# KiCad board panel-74pad-70pin-mezzanine.kicad_pcb (continued)
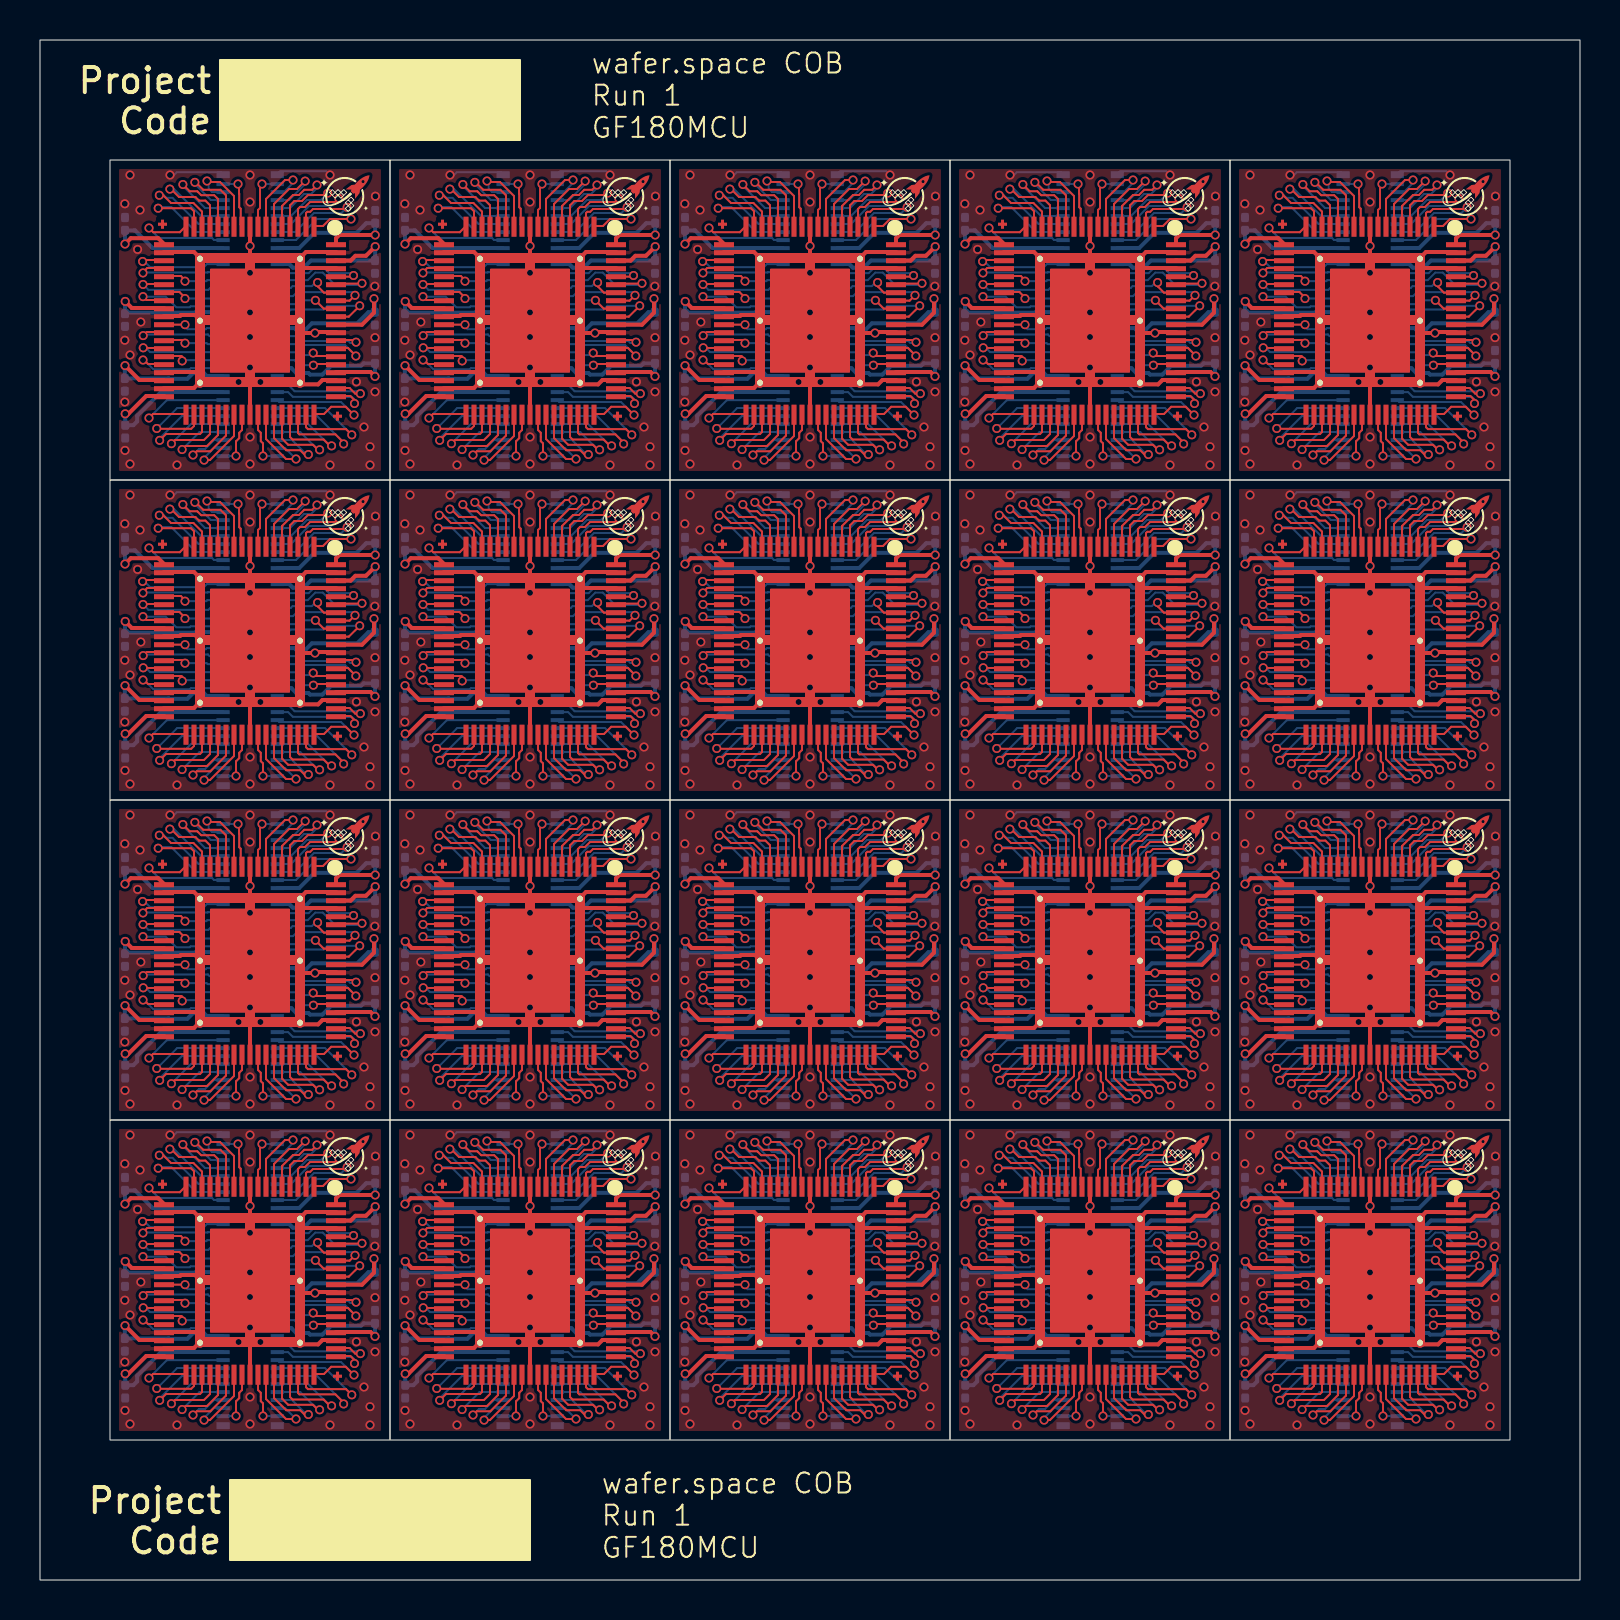
[diagram p0: board, top side]
## Nets (continued)
/pad_60: U101.21 U102.61 U103.21 U104.61 U105.21 U106.61 U107.21 U108.61 U109.21 U110.61 U111.21 U112.61 U113.21 U114.61 U115.21 U116.61 U117.21 U118.61 U119.21 U120.61 U121.21 U122.61 U123.21 U124.61 U125.21 U126.61 U127.21 U128.61 U129.21 U130.61 U131.21 U132.61 U133.21 U134.61 U135.21 U136.61 U137.21 U138.61 U139.21 U140.61
/pad_61: U101.20 U102.62 U103.20 U104.62 U105.20 U106.62 U107.20 U108.62 U109.20 U110.62 U111.20 U112.62 U113.20 U114.62 U115.20 U116.62 U117.20 U118.62 U119.20 U120.62 U121.20 U122.62 U123.20 U124.62 U125.20 U126.62 U127.20 U128.62 U129.20 U130.62 U131.20 U132.62 U133.20 U134.62 U135.20 U136.62 U137.20 U138.62 U139.20 U140.62
/pad_64: U101.17 U102.65 U103.17 U104.65 U105.17 U106.65 U107.17 U108.65 U109.17 U110.65 U111.17 U112.65 U113.17 U114.65 U115.17 U116.65 U117.17 U118.65 U119.17 U120.65 U121.17 U122.65 U123.17 U124.65 U125.17 U126.65 U127.17 U128.65 U129.17 U130.65 U131.17 U132.65 U133.17 U134.65 U135.17 U136.65 U137.17 U138.65 U139.17 U140.65
/pad_65: U101.16 U102.66 U103.16 U104.66 U105.16 U106.66 U107.16 U108.66 U109.16 U110.66 U111.16 U112.66 U113.16 U114.66 U115.16 U116.66 U117.16 U118.66 U119.16 U120.66 U121.16 U122.66 U123.16 U124.66 U125.16 U126.66 U127.16 U128.66 U129.16 U130.66 U131.16 U132.66 U133.16 U134.66 U135.16 U136.66 U137.16 U138.66 U139.16 U140.66
/pad_66: U101.15 U102.67 U103.15 U104.67 U105.15 U106.67 U107.15 U108.67 U109.15 U110.67 U111.15 U112.67 U113.15 U114.67 U115.15 U116.67 U117.15 U118.67 U119.15 U120.67 U121.15 U122.67 U123.15 U124.67 U125.15 U126.67 U127.15 U128.67 U129.15 U130.67 U131.15 U132.67 U133.15 U134.67 U135.15 U136.67 U137.15 U138.67 U139.15 U140.67
/pad_67: U101.14 U102.68 U103.14 U104.68 U105.14 U106.68 U107.14 U108.68 U109.14 U110.68 U111.14 U112.68 U113.14 U114.68 U115.14 U116.68 U117.14 U118.68 U119.14 U120.68 U121.14 U122.68 U123.14 U124.68 U125.14 U126.68 U127.14 U128.68 U129.14 U130.68 U131.14 U132.68 U133.14 U134.68 U135.14 U136.68 U137.14 U138.68 U139.14 U140.68
/pad_68: U101.13 U102.69 U103.13 U104.69 U105.13 U106.69 U107.13 U108.69 U109.13 U110.69 U111.13 U112.69 U113.13 U114.69 U115.13 U116.69 U117.13 U118.69 U119.13 U120.69 U121.13 U122.69 U123.13 U124.69 U125.13 U126.69 U127.13 U128.69 U129.13 U130.69 U131.13 U132.69 U133.13 U134.69 U135.13 U136.69 U137.13 U138.69 U139.13 U140.69
/pad_69: U101.12 U102.70 U103.12 U104.70 U105.12 U106.70 U107.12 U108.70 U109.12 U110.70 U111.12 U112.70 U113.12 U114.70 U115.12 U116.70 U117.12 U118.70 U119.12 U120.70 U121.12 U122.70 U123.12 U124.70 U125.12 U126.70 U127.12 U128.70 U129.12 U130.70 U131.12 U132.70 U133.12 U134.70 U135.12 U136.70 U137.12 U138.70 U139.12 U140.70
PWR_AUX_0: C105.1 C113.1 C121.1 C129.1 C137.1 C145.1 C153.1 C161.1 C169.1 C177.1 C185.1 C193.1 C201.1 C209.1 C217.1 C225.1 C233.1 C241.1 C249.1 C257.1 U101.54 U102.26 U103.54 U104.26 U105.54 U106.26 U107.54 U108.26 U109.54 U110.26 U111.54 U112.26 U113.54 U114.26 U115.54 U116.26 U117.54 U118.26 U119.54 U120.26 U121.54 U122.26 U123.54 U124.26 U125.54 U126.26 U127.54 U128.26 U129.54 U130.26 U131.54 U132.26 U133.54 U134.26 U135.54 U136.26 U137.54 U138.26 U139.54 U140.26
PWR_AUX_1: C106.1 C114.1 C122.1 C130.1 C138.1 C146.1 C154.1 C162.1 C170.1 C178.1 C186.1 C194.1 C202.1 C210.1 C218.1 C226.1 C234.1 C242.1 C250.1 C258.1 U101.19 U102.64 U103.19 U104.64 U105.19 U106.64 U107.19 U108.64 U109.19 U110.64 U111.19 U112.64 U113.19 U114.64 U115.19 U116.64 U117.19 U118.64 U119.19 U120.64 U121.19 U122.64 U123.19 U124.64 U125.19 U126.64 U127.19 U128.64 U129.19 U130.64 U131.19 U132.64 U133.19 U134.64 U135.19 U136.64 U137.19 U138.64 U139.19 U140.64

## Via types
v1: diameter 0.45, hole 0.3, Top to Bottom, 1960 vias

## Routing (per net, layer and track width the routed paths; a pad name or vN(x,y) marks a point on that pad's centre or on a via; arc(x,y) is an arc through that point)
GND: length 1147
  Top w0.2: 8,59.9 7.7,59.6 6.2,59.6 ; 56.8,12 56.12,12 55.9,11.78 55.12,11.78 55,11.9 ; 55,66.1 55.3,66.4 56.8,66.4 ; 27,59.9 27.12,59.78 27.9,59.78 28.12,60 28.8,60 ; 42.8,50.4 41.3,50.4 41,50.1 ; 10.45,34.1 10.5,34.15 v1(10.5,34.7) 10.5,35.7 ; 42.8,12 42.12,12 41.9,11.78 41.12,11.78 41,11.9 ; 6.2,34.4 7.7,34.4 8,34.1 ; 22,15 21.75,15.25 21.05,15.25 21,15.2 20.2,15.2 ; 34.2,43.6 35.7,43.6 36,43.9 ; 28.8,18.4 27.3,18.4 27,18.1 ; 62.2,12.4 64,12.4 ; 55,43.9 55.12,43.78 55.9,43.78 56.12,44 56.8,44 ; 70.8,60 70.12,60 69.9,59.78 69.12,59.78 69,59.9 ; 22,27.9 21.7,27.6 20.2,27.6 ; 6.2,44.4 8,44.4 ; 50,34.1 49.7,34.4 48.2,34.4 ; 38.5,26.3 38.5,27.9 ; 34.2,11.6 35.7,11.6 36,11.9 ; 41,66.1 41.3,66.4 42.8,66.4 ; 27,27.9 27.12,27.78 27.9,27.78 28.12,28 28.8,28 ; 14.8,34.4 13.3,34.4 13,34.1 ; 10.5,58.3 10.5,59.9 ; 48.2,18.4 49.7,18.4 50,18.1 ; 6.2,28.4 8,28.4 ; 10.5,51.7 v1(10.5,50.7) 10.5,50.15 10.45,50.1 ; 8,27.9 7.7,27.6 6.2,27.6 ; 70.8,30.4 69.9,30.4 69.85,30.35 v1(69.75,30.35) 69.1,30.35 69,30.45 ; 42.8,44 42.12,44 41.9,43.78 41.12,43.78 41,43.9 ; 48.2,59.6 49.7,59.6 50,59.9 ; 48.2,11.6 49.7,11.6 50,11.9 ; 41,27.9 41.12,27.78 41.9,27.78 42.12,28 42.8,28 ; 50,63 49.75,63.25 49.05,63.25 49,63.2 48.2,63.2 ; 36,34.1 35.7,34.4 34.2,34.4 ; 38.45,34.1 38.5,34.15 v1(38.5,34.7) 38.5,35.7 ; 20.2,60.4 22,60.4 ; 6.2,47.2 7,47.2 7.05,47.25 7.75,47.25 8,47 ; 42.8,62.4 41.9,62.4 41.85,62.35 v1(41.75,62.35) 41.1,62.35 41,62.45 ; 20.2,43.6 21.7,43.6 22,43.9 ; 14.8,18.4 13.3,18.4 13,18.1 ; 13,46.45 13.1,46.35 v1(13.75,46.35) 13.85,46.35 13.9,46.4 14.8,46.4 ; 38.5,51.7 v1(38.5,50.7) 38.5,50.15 38.45,50.1 ; 55,62.45 55.1,62.35 v1(55.75,62.35) 55.85,62.35 55.9,62.4 56.8,62.4 ; 52.5,26.3 52.5,27.9 ; 52.5,58.3 52.5,59.9 ; 62.2,63.2 63,63.2 63.05,63.25 63.75,63.25 64,63 ; 48.2,12.4 50,12.4 ; 66.5,26.3 66.5,27.9 ; 36,15 35.75,15.25 35.05,15.25 35,15.2 34.2,15.2 ; 20.2,11.6 21.7,11.6 22,11.9 ; 13,11.9 13.12,11.78 13.9,11.78 14.12,12 14.8,12 ; 64,11.9 63.7,11.6 62.2,11.6 ; 70.8,62.4 69.9,62.4 69.85,62.35 v1(69.75,62.35) 69.1,62.35 69,62.45 ; 38.45,66.1 38.5,66.15 v1(38.5,66.7) 38.5,67.7 ; 55,50.1 55.3,50.4 56.8,50.4 ; 66.5,35.7 v1(66.5,34.7) 66.5,34.15 66.45,34.1 ; 52.5,51.7 v1(52.5,50.7) 52.5,50.15 52.45,50.1 ; 10.45,66.1 10.5,66.15 v1(10.5,66.7) 10.5,67.7 ; 62.2,44.4 64,44.4 ; 22,66.1 21.7,66.4 20.2,66.4 ; 41,46.45 41.1,46.35 v1(41.75,46.35) 41.85,46.35 41.9,46.4 42.8,46.4 ; 50,43.9 49.7,43.6 48.2,43.6 ; 52.5,67.7 v1(52.5,66.7) 52.5,66.15 52.45,66.1 ; 27,66.1 27.3,66.4 28.8,66.4 ; 6.2,18.4 7.7,18.4 8,18.1 ; 66.5,58.3 66.5,59.9 ; 50,31 49.75,31.25 49.05,31.25 49,31.2 48.2,31.2 ; 70.8,18.4 69.3,18.4 69,18.1 ; 28.8,33.6 27,33.6 ; 20.2,50.4 21.7,50.4 22,50.1 ; 42.8,60 42.12,60 41.9,59.78 41.12,59.78 41,59.9 ; 48.2,15.2 49,15.2 49.05,15.25 49.75,15.25 50,15 ; 55,18.1 55.3,18.4 56.8,18.4 ; 48.2,66.4 49.7,66.4 50,66.1 ; 70.8,14.4 69.9,14.4 69.85,14.35 v1(69.75,14.35) 69.1,14.35 69,14.45 ; 36,31 35.75,31.25 35.05,31.25 35,31.2 34.2,31.2 ; 10.5,42.3 10.5,43.9 ; 10.5,10.3 10.5,11.9 ; 27,11.9 27.12,11.78 27.9,11.78 28.12,12 28.8,12 ; 55,46.45 55.1,46.35 v1(55.75,46.35) 55.85,46.35 55.9,46.4 56.8,46.4 ; 66.5,67.7 v1(66.5,66.7) 66.5,66.15 66.45,66.1 ; 36,63 35.75,63.25 35.05,63.25 35,63.2 34.2,63.2 ; 64,43.9 63.7,43.6 62.2,43.6 ; 56.8,49.6 55,49.6 ; 50,47 49.75,47.25 49.05,47.25 49,47.2 48.2,47.2 ; 70.8,65.6 69,65.6 ; 42.8,14.4 41.9,14.4 41.85,14.35 v1(41.75,14.35) 41.1,14.35 41,14.45 ; 64,47 63.75,47.25 63.05,47.25 63,47.2 62.2,47.2 ; 56.8,65.6 55,65.6 ; 34.2,59.6 35.7,59.6 36,59.9 ; 27,46.45 27.1,46.35 v1(27.75,46.35) 27.85,46.35 27.9,46.4 28.8,46.4 ; 62.2,18.4 63.7,18.4 64,18.1 ; 62.2,60.4 64,60.4 ; 24.5,19.7 v1(24.5,18.7) 24.5,18.15 24.45,18.1 ; 70.8,44 70.12,44 69.9,43.78 69.12,43.78 69,43.9 ; 14.8,50.4 13.3,50.4 13,50.1 ; 6.2,31.2 7,31.2 7.05,31.25 7.75,31.25 8,31 ; 69,46.45 69.1,46.35 v1(69.75,46.35) 69.85,46.35 69.9,46.4 70.8,46.4 ; 42.8,30.4 41.9,30.4 41.85,30.35 v1(41.75,30.35) 41.1,30.35 41,30.45 ; 70.8,50.4 69.3,50.4 69,50.1 ; 42.8,49.6 41,49.6 ; 20.2,28.4 22,28.4 ; 62.2,31.2 63,31.2 63.05,31.25 63.75,31.25 64,31 ; 13,43.9 13.12,43.78 13.9,43.78 14.12,44 14.8,44 ; 20.2,34.4 21.7,34.4 22,34.1 ; 56.8,28 56.12,28 55.9,27.78 55.12,27.78 55,27.9 ; 28.8,30.4 27.9,30.4 27.85,30.35 v1(27.75,30.35) 27.1,30.35 27,30.45 ; 6.2,50.4 7.7,50.4 8,50.1 ; 20.2,18.4 21.7,18.4 22,18.1 ; 27,34.1 27.3,34.4 28.8,34.4 ; 62.2,59.6 63.7,59.6 64,59.9 ; 14.8,30.4 13.9,30.4 13.85,30.35 v1(13.75,30.35) 13.1,30.35 13,30.45 ; 20.2,47.2 21,47.2 21.05,47.25 21.75,47.25 22,47 ; 6.2,66.4 7.7,66.4 8,66.1 ; 13,14.45 13.1,14.35 v1(13.75,14.35) 13.85,14.35 13.9,14.4 14.8,14.4 ; 24.5,35.7 v1(24.5,34.7) 24.5,34.15 24.45,34.1 ; 14.8,62.4 13.9,62.4 13.85,62.35 v1(13.75,62.35) 13.1,62.35 13,62.45 ; 64,15 63.75,15.25 63.05,15.25 63,15.2 62.2,15.2 ; 52.5,19.7 v1(52.5,18.7) 52.5,18.15 52.45,18.1 ; 66.45,50.1 66.5,50.15 v1(66.5,50.7) 66.5,51.7 ; 70.8,33.6 69,33.6 ; 28.8,17.6 27,17.6 ; 28.8,14.4 27.9,14.4 27.85,14.35 v1(27.75,14.35) 27.1,14.35 27,14.45 ; 34.2,27.6 35.7,27.6 36,27.9 ; 8,43.9 7.7,43.6 6.2,43.6 ; 42.8,17.6 41,17.6 ; 27,62.45 27.1,62.35 v1(27.75,62.35) 27.85,62.35 27.9,62.4 28.8,62.4 ; 69,34.1 69.3,34.4 70.8,34.4 ; 14.8,66.4 13.3,66.4 13,66.1 ; 38.5,42.3 38.5,43.9 ; 70.8,66.4 69.3,66.4 69,66.1 ; 27,50.1 27.3,50.4 28.8,50.4 ; 20.2,59.6 21.7,59.6 22,59.9 ; 69,11.9 69.12,11.78 69.9,11.78 70.12,12 70.8,12 ; 28.8,65.6 27,65.6 ; 66.5,10.3 66.5,11.9 ; 8,63 7.75,63.25 7.05,63.25 7,63.2 6.2,63.2 ; 34.2,50.4 35.7,50.4 36,50.1 ; 50,50.1 49.7,50.4 48.2,50.4 ; 38.45,18.1 38.5,18.15 v1(38.5,18.7) 38.5,19.7 ; 56.8,30.4 55.9,30.4 55.85,30.35 v1(55.75,30.35) 55.1,30.35 55,30.45 ; 22,63 21.75,63.25 21.05,63.25 21,63.2 20.2,63.2 ; 8,15 7.75,15.25 7.05,15.25 7,15.2 6.2,15.2 ; 36,66.1 35.7,66.4 34.2,66.4 ; 41,18.1 41.3,18.4 42.8,18.4 ; 20.2,44.4 22,44.4 ; 70.8,28 70.12,28 69.9,27.78 69.12,27.78 69,27.9 ; 56.8,34.4 55.3,34.4 55,34.1 ; 24.5,67.7 v1(24.5,66.7) 24.5,66.15 24.45,66.1 ; 34.2,47.2 35,47.2 35.05,47.25 35.75,47.25 36,47 ; 56.8,60 56.12,60 55.9,59.78 55.12,59.78 55,59.9 ; 24.45,50.1 24.5,50.15 v1(24.5,50.7) 24.5,51.7 ; 20.2,31.2 21,31.2 21.05,31.25 21.75,31.25 22,31 ; 34.2,12.4 36,12.4 ; 6.2,11.6 7.7,11.6 8,11.9 ; 62.2,28.4 64,28.4 ; 34.2,44.4 36,44.4 ; 64,34.1 63.7,34.4 62.2,34.4 ; 27,43.9 27.12,43.78 27.9,43.78 28.12,44 28.8,44 ; 42.8,34.4 41.3,34.4 41,34.1 ; 64,50.1 63.7,50.4 62.2,50.4 ; 34.2,18.4 35.7,18.4 36,18.1 ; 6.2,12.4 8,12.4 ; 52.5,10.3 52.5,11.9 ; 13,27.9 13.12,27.78 13.9,27.78 14.12,28 14.8,28 ; 56.8,33.6 55,33.6 ; 48.2,27.6 49.7,27.6 50,27.9 ; 10.5,26.3 10.5,27.9 ; 66.45,18.1 66.5,18.15 v1(66.5,18.7) 66.5,19.7 ; 24.5,58.3 24.5,59.9 ; 62.2,27.6 63.7,27.6 64,27.9 ; 70.8,49.6 69,49.6 ; 52.5,35.7 v1(52.5,34.7) 52.5,34.15 52.45,34.1 ; 10.45,18.1 10.5,18.15 v1(10.5,18.7) 10.5,19.7 ; 34.2,60.4 36,60.4 ; 24.5,10.3 24.5,11.9 ; 48.2,60.4 50,60.4 ; 48.2,44.4 50,44.4 ; 13,59.9 13.12,59.78 13.9,59.78 14.12,60 14.8,60 ; 55,14.45 55.1,14.35 v1(55.75,14.35) 55.85,14.35 55.9,14.4 56.8,14.4 ; 48.2,28.4 50,28.4 ; 52.5,42.3 52.5,43.9 ; 42.8,33.6 41,33.6 ; 56.8,17.6 55,17.6 ; 14.8,49.6 13,49.6 ; 14.8,33.6 13,33.6 ; 64,66.1 63.7,66.4 62.2,66.4 ; 6.2,60.4 8,60.4 ; 24.5,42.3 24.5,43.9 ; 14.8,17.6 13,17.6 ; 38.5,10.3 38.5,11.9 ; 34.2,28.4 36,28.4 ; 42.8,65.6 41,65.6 ; 70.8,17.6 69,17.6 ; 14.8,65.6 13,65.6 ; 38.5,58.3 38.5,59.9 ; 28.8,49.6 27,49.6 ; 66.5,42.3 66.5,43.9 ; 24.5,26.3 24.5,27.9 ; 20.2,12.4 22,12.4
  Top w0.5: 52.5,59.9 v1(53.02,59.9) 55,59.9 55,63 ; 52.5,59.9 v1(51.93,59.9) 50,59.9 50,63 ; 52.5,59.9 v1(52.5,60.63) v1(52.5,62.15) v1(52.5,63.38) v1(52.5,65.36) 52.5,66.05 52.45,66.1 ; 24.45,66.1 27,66.1 27,63 ; 24.45,66.1 24.5,66.05 v1(24.5,65.36) v1(24.5,63.38) v1(24.5,62.15) v1(24.5,60.63) 24.5,59.9 ; 24.45,66.1 22,66.1 22,63 ; 50,31 50,34.1 52.45,34.1 ; 50,31 50,27.9 v1(51.93,27.9) 52.5,27.9 ; 50,31 55,31 ; 10.45,66.1 13,66.1 13,63 ; 10.45,66.1 10.5,66.05 v1(10.5,65.36) v1(10.5,63.38) v1(10.5,62.15) v1(10.5,60.63) 10.5,59.9 ; 10.45,66.1 8,66.1 8,63 ; 22,63 22,59.9 v1(23.93,59.9) 24.5,59.9 ; 22,63 27,63 ; 10.45,18.1 10.5,18.05 v1(10.5,17.36) v1(10.5,15.38) v1(10.5,14.15) v1(10.5,12.63) 10.5,11.9 ; 10.45,18.1 13,18.1 13,15 ; 10.45,18.1 8,18.1 8,15 ; 8,31 13,31 ; 8,31 8,34.1 10.45,34.1 ; 8,31 8,27.9 v1(9.93,27.9) 10.5,27.9 ; 13,31 13,27.9 v1(11.02,27.9) 10.5,27.9 ; 13,31 13,34.1 10.45,34.1 ; 22,31 22,27.9 v1(23.93,27.9) 24.5,27.9 ; 22,31 27,31 ; 22,31 22,34.1 24.45,34.1 ; 10.5,27.9 v1(10.5,28.63) v1(10.5,30.15) v1(10.5,31.38) v1(10.5,33.36) 10.5,34.05 10.45,34.1 ; 66.5,27.9 v1(66.5,28.63) v1(66.5,30.15) v1(66.5,31.38) v1(66.5,33.36) 66.5,34.05 66.45,34.1 ; 66.5,27.9 v1(67.02,27.9) 69,27.9 69,31 ; 66.5,27.9 v1(65.93,27.9) 64,27.9 64,31 ; 66.45,50.1 66.5,50.05 v1(66.5,49.36) v1(66.5,47.38) v1(66.5,46.15) v1(66.5,44.63) 66.5,43.9 ; 66.45,50.1 69,50.1 69,47 ; 66.45,50.1 64,50.1 64,47 ; 69,47 69,43.9 v1(67.02,43.9) 66.5,43.9 ; 69,47 64,47 ; 10.45,50.1 8,50.1 8,47 ; 10.45,50.1 10.5,50.05 v1(10.5,49.36) v1(10.5,47.38) v1(10.5,46.15) v1(10.5,44.63) 10.5,43.9 ; 10.45,50.1 13,50.1 13,47 ; 38.45,34.1 36,34.1 36,31 ; 38.45,34.1 38.5,34.05 v1(38.5,33.36) v1(38.5,31.38) v1(38.5,30.15) v1(38.5,28.63) 38.5,27.9 ; 38.45,34.1 41,34.1 41,31 ; 50,15 50,11.9 v1(51.93,11.9) 52.5,11.9 ; 50,15 55,15 ; 50,15 50,18.1 52.45,18.1 ; 10.5,11.9 v1(11.02,11.9) 13,11.9 13,15 ; 10.5,11.9 v1(9.93,11.9) 8,11.9 8,15 ; 36,31 36,27.9 v1(37.93,27.9) 38.5,27.9 ; 36,31 41,31 ; 38.5,43.9 v1(38.5,44.63) v1(38.5,46.15) v1(38.5,47.38) v1(38.5,49.36) 38.5,50.05 38.45,50.1 ; 38.5,43.9 v1(37.93,43.9) 36,43.9 36,47 ; 38.5,43.9 v1(39.02,43.9) 41,43.9 41,47 ; 52.5,43.9 v1(52.5,44.63) v1(52.5,46.15) v1(52.5,47.38) v1(52.5,49.36) 52.5,50.05 52.45,50.1 ; 52.5,43.9 v1(53.02,43.9) 55,43.9 55,47 ; 52.5,43.9 v1(51.93,43.9) 50,43.9 50,47 ; 52.5,27.9 v1(52.5,28.63) v1(52.5,30.15) v1(52.5,31.38) v1(52.5,33.36) 52.5,34.05 52.45,34.1 ; 52.5,27.9 v1(53.02,27.9) 55,27.9 55,31 ; 55,31 55,34.1 52.45,34.1 ; 52.45,66.1 50,66.1 50,63 ; 52.45,66.1 55,66.1 55,63 ; 8,47 13,47 ; 8,47 8,43.9 v1(9.93,43.9) 10.5,43.9 ; 64,15 64,18.1 66.45,18.1 ; 64,15 69,15 ; 64,15 64,11.9 v1(65.93,11.9) 66.5,11.9 ; 22,15 22,18.1 24.45,18.1 ; 22,15 27,15 ; 22,15 22,11.9 v1(23.93,11.9) 24.5,11.9 ; 66.5,11.9 v1(67.02,11.9) 69,11.9 69,15 ; 66.5,11.9 v1(66.5,12.63) v1(66.5,14.15) v1(66.5,15.38) v1(66.5,17.36) 66.5,18.05 66.45,18.1 ; 64,31 64,34.1 66.45,34.1 ; 64,31 69,31 ; 22,47 22,50.1 24.45,50.1 ; 22,47 27,47 ; 22,47 22,43.9 v1(23.93,43.9) 24.5,43.9 ; 52.45,50.1 55,50.1 55,47 ; 52.45,50.1 50,50.1 50,47 ; 69,15 69,18.1 66.45,18.1 ; 64,47 64,43.9 v1(65.93,43.9) 66.5,43.9 ; 38.45,18.1 41,18.1 41,15 ; 38.45,18.1 38.5,18.05 v1(38.5,17.36) v1(38.5,15.38) v1(38.5,14.15) v1(38.5,12.63) 38.5,11.9 ; 38.45,18.1 36,18.1 36,15 ; 66.45,34.1 69,34.1 69,31 ; 13,47 13,43.9 v1(11.02,43.9) 10.5,43.9 ; 24.45,18.1 24.5,18.05 v1(24.5,17.36) v1(24.5,15.38) v1(24.5,14.15) v1(24.5,12.63) 24.5,11.9 ; 24.45,18.1 27,18.1 27,15 ; 27,15 27,11.9 v1(25.02,11.9) 24.5,11.9 ; 50,63 55,63 ; 24.45,50.1 27,50.1 27,47 ; 24.45,50.1 24.5,50.05 v1(24.5,49.36) v1(24.5,47.38) v1(24.5,46.15) v1(24.5,44.63) 24.5,43.9 ; 66.5,59.9 v1(67.02,59.9) 69,59.9 69,63 ; 66.5,59.9 v1(65.93,59.9) 64,59.9 64,63 ; 66.5,59.9 v1(66.5,60.63) v1(66.5,62.15) v1(66.5,63.38) v1(66.5,65.36) 66.5,66.05 66.45,66.1 ; 52.45,18.1 52.5,18.05 v1(52.5,17.36) v1(52.5,15.38) v1(52.5,14.15) v1(52.5,12.63) 52.5,11.9 ; 52.45,18.1 55,18.1 55,15 ; 38.5,59.9 v1(37.93,59.9) 36,59.9 36,63 ; 38.5,59.9 v1(39.02,59.9) 41,59.9 41,63 ; 38.5,59.9 v1(38.5,60.63) v1(38.5,62.15) v1(38.5,63.38) v1(38.5,65.36) 38.5,66.05 38.45,66.1 ; 55,15 55,11.9 v1(53.02,11.9) 52.5,11.9 ; 36,47 36,50.1 38.45,50.1 ; 36,47 41,47 ; 66.45,66.1 69,66.1 69,63 ; 66.45,66.1 64,66.1 64,63 ; 55,47 50,47 ; 36,63 36,66.1 38.45,66.1 ; 36,63 41,63 ; 8,15 13,15 ; 27,31 27,27.9 v1(25.02,27.9) 24.5,27.9 ; 27,31 27,34.1 24.45,34.1 ; 36,15 36,11.9 v1(37.93,11.9) 38.5,11.9 ; 36,15 41,15 ; 8,63 13,63 ; 8,63 8,59.9 v1(9.93,59.9) 10.5,59.9 ; 13,63 13,59.9 v1(11.02,59.9) 10.5,59.9 ; 64,63 69,63 ; 24.5,43.9 v1(25.02,43.9) 27,43.9 27,47 ; 38.45,50.1 41,50.1 41,47 ; 41,15 41,11.9 v1(39.02,11.9) 38.5,11.9 ; 24.5,59.9 v1(25.02,59.9) 27,59.9 27,63 ; 38.5,27.9 v1(39.02,27.9) 41,27.9 41,31 ; 41,63 41,66.1 38.45,66.1 ; 24.45,34.1 24.5,34.05 v1(24.5,33.36) v1(24.5,31.38) v1(24.5,30.15) v1(24.5,28.63) 24.5,27.9
  Bottom w0.1: 67.86,22.28 68.02,22.44 70.31,22.44 v1(70.5,22.25) ; 37.15,22.28 37.03,22.39 34.84,22.39 34.65,22.2 ; 65.15,54.28 65.03,54.39 62.84,54.39 62.65,54.2 ; 11.85,22.28 12.02,22.44 14.31,22.44 v1(14.5,22.25) ; 67.86,54.28 68.02,54.44 70.31,54.44 v1(70.5,54.25) ; v1(42.5,54.25) 42.31,54.44 40.02,54.44 39.85,54.28 ; v1(56.5,70.25) 56.31,70.44 54.02,70.44 53.85,70.28 ; v1(14.5,70.25) 14.31,70.44 12.02,70.44 11.85,70.28 ; 9.15,70.28 9.03,70.39 6.84,70.39 6.65,70.2 ; 23.15,54.28 23.03,54.39 20.84,54.39 20.65,54.2 ; 20.65,22.2 20.84,22.39 23.03,22.39 23.15,22.28 ; 20.65,70.2 20.84,70.39 23.03,70.39 23.15,70.28 ; 51.15,54.28 51.03,54.39 48.84,54.39 48.65,54.2 ; 48.65,22.2 48.84,22.39 51.03,22.39 51.15,22.28 ; 48.65,70.2 48.84,70.39 51.03,70.39 51.15,70.28 ; v1(14.5,54.25) 14.31,54.44 12.02,54.44 11.85,54.28 ; 65.15,22.28 65.03,22.39 62.84,22.39 62.65,22.2 ; 65.15,70.28 65.03,70.39 62.84,70.39 62.65,70.2 ; 37.15,54.28 37.03,54.39 34.84,54.39 34.65,54.2 ; v1(42.5,38.25) 42.31,38.44 40.02,38.44 39.85,38.28 ; 25.85,70.28 26.02,70.44 28.31,70.44 v1(28.5,70.25) ; 9.15,22.28 9.03,22.39 6.84,22.39 6.65,22.2 ; 67.86,70.28 68.02,70.44 70.31,70.44 v1(70.5,70.25) ; 39.85,22.28 40.02,22.44 42.31,22.44 v1(42.5,22.25) ; 6.65,38.2 6.84,38.39 9.03,38.39 9.15,38.28 ; v1(14.5,38.25) 14.31,38.44 12.02,38.44 11.85,38.28 ; 65.15,38.28 65.03,38.39 62.84,38.39 62.65,38.2 ; 37.15,70.28 37.03,70.39 34.84,70.39 34.65,70.2 ; 67.86,38.28 68.02,38.44 70.31,38.44 v1(70.5,38.25) ; v1(42.5,70.25) 42.31,70.44 40.02,70.44 39.85,70.28 ; 51.15,38.28 51.03,38.39 48.84,38.39 48.65,38.2 ; 23.15,38.28 23.03,38.39 20.84,38.39 20.65,38.2 ; 53.85,22.28 54.02,22.44 56.31,22.44 v1(56.5,22.25) ; 37.15,38.28 37.03,38.39 34.84,38.39 34.65,38.2 ; v1(28.5,22.25) 28.31,22.44 26.02,22.44 25.85,22.28 ; v1(28.5,38.25) 28.31,38.44 26.02,38.44 25.85,38.28 ; 53.85,54.28 54.02,54.44 56.31,54.44 v1(56.5,54.25) ; 9.15,54.28 9.03,54.39 6.84,54.39 6.65,54.2 ; v1(56.5,38.25) 56.31,38.44 54.02,38.44 53.85,38.28 ; 25.85,54.28 26.02,54.44 28.31,54.44 v1(28.5,54.25)
  vias: v1(4.24,68.81) v1(4.24,61.99) v1(4.24,58.9) v1(4.25,56.48) v1(4.24,52.81) v1(4.24,45.99) v1(4.24,42.9) v1(4.25,40.48) v1(4.24,36.81) v1(4.24,29.99) v1(4.24,26.9) v1(4.25,24.48) v1(4.24,20.81) v1(4.24,13.99) v1(4.24,10.9) v1(4.25,8.48) v1(4.5,70.25) v1(4.5,61.25) v1(4.5,55.8) v1(4.5,54.25) v1(4.5,45.25) v1(4.5,39.8) v1(4.5,38.25) v1(4.5,29.25) v1(4.5,23.8) v1(4.5,22.25) v1(4.5,13.25) v1(4.5,7.8) v1(4.88,66.53) v1(4.88,50.53) v1(4.88,34.53) v1(4.88,18.53) v1(5,68.5) v1(5,52.5) v1(5,36.5) v1(5,20.5) v1(5.04,62.9) v1(5.04,46.9) v1(5.04,30.9) v1(5.04,14.9) v1(6.5,70.25) v1(6.5,54.25) v1(6.5,38.25) v1(6.5,22.25) v1(6.85,55.75) v1(6.85,39.75) v1(6.85,23.75) v1(6.85,7.75) v1(10.5,70.25) v1(10.5,68.9) v1(10.5,57.15) v1(10.5,55.8) v1(10.5,54.25) v1(10.5,52.9) v1(10.5,41.15) v1(10.5,39.8) v1(10.5,38.25) v1(10.5,36.9) v1(10.5,25.15) v1(10.5,23.8) v1(10.5,22.25) v1(10.5,20.9) v1(10.5,9.15) v1(10.5,7.8) v1(14.5,55.75) v1(14.5,39.75) v1(14.5,23.75) v1(14.5,7.75) v1(15.82,59.91) v1(15.82,43.91) v1(15.82,27.91) v1(15.82,11.91) v1(16.2,57.65) v1(16.2,41.65) v1(16.2,25.65) v1(16.2,9.65) v1(16.5,56.67) v1(16.5,55.75) v1(16.5,40.67) v1(16.5,39.75) v1(16.5,24.67) v1(16.5,23.75) v1(16.5,8.67) v1(16.5,7.75) v1(16.77,69.19) v1(16.74,64.69) v1(16.75,62.12) v1(16.75,59.41) v1(16.77,53.19) v1(16.74,48.69) v1(16.75,46.12) v1(16.75,43.41) v1(16.77,37.19) v1(16.74,32.69) v1(16.75,30.12) v1(16.75,27.41) v1(16.77,21.19) v1(16.74,16.69) v1(16.75,14.12) v1(16.75,11.41) v1(18.24,68.81) v1(18.24,61.99) v1(18.24,58.9) v1(18.25,56.48) v1(18.24,52.81) v1(18.24,45.99) v1(18.24,42.9) v1(18.25,40.48) v1(18.24,36.81) v1(18.24,29.99) v1(18.24,26.9) v1(18.25,24.48) v1(18.24,20.81) v1(18.24,13.99) v1(18.24,10.9) v1(18.25,8.48) v1(18.5,70.25) v1(18.5,61.25) v1(18.5,55.8) v1(18.5,54.25) v1(18.5,45.25) v1(18.5,39.8) v1(18.5,38.25) v1(18.5,29.25) v1(18.5,23.8) v1(18.5,22.25) v1(18.5,13.25) v1(18.5,7.8) v1(18.88,66.53) v1(18.88,50.53) v1(18.88,34.53) v1(18.88,18.53) v1(19,68.5) v1(19,52.5) v1(19,36.5) v1(19,20.5) v1(19.04,62.9) v1(19.04,46.9) v1(19.04,30.9) v1(19.04,14.9) v1(20.5,70.25) v1(20.5,54.25) v1(20.5,38.25) v1(20.5,22.25) v1(20.85,55.75) v1(20.85,39.75) v1(20.85,23.75) v1(20.85,7.75) v1(24.5,70.25) v1(24.5,68.9) v1(24.5,57.15) v1(24.5,55.8) v1(24.5,54.25) v1(24.5,52.9) v1(24.5,41.15) v1(24.5,39.8) v1(24.5,38.25) v1(24.5,36.9) v1(24.5,25.15) v1(24.5,23.8) v1(24.5,22.25) v1(24.5,20.9) v1(24.5,9.15) v1(24.5,7.8) v1(28.5,55.75) v1(28.5,39.75) v1(28.5,23.75) v1(28.5,7.75) v1(29.82,59.91) v1(29.82,43.91) v1(29.82,27.91) v1(29.82,11.91) v1(30.2,57.65) v1(30.2,41.65) v1(30.2,25.65) v1(30.2,9.65) v1(30.5,56.67) v1(30.5,55.75) v1(30.5,40.67) v1(30.5,39.75) v1(30.5,24.67) v1(30.5,23.75) v1(30.5,8.67) v1(30.5,7.75) v1(30.77,69.19) v1(30.74,64.69) v1(30.75,62.12) v1(30.75,59.41) v1(30.77,53.19) v1(30.74,48.69) v1(30.75,46.12) v1(30.75,43.41) v1(30.77,37.19) v1(30.74,32.69) v1(30.75,30.12) v1(30.75,27.41) v1(30.77,21.19) v1(30.74,16.69) v1(30.75,14.12) v1(30.75,11.41) v1(32.24,68.81) v1(32.24,61.99) v1(32.24,58.9) v1(32.25,56.48) v1(32.24,52.81) v1(32.24,45.99) v1(32.24,42.9) v1(32.25,40.48) v1(32.24,36.81) v1(32.24,29.99) v1(32.24,26.9) v1(32.25,24.48) v1(32.24,20.81) v1(32.24,13.99) v1(32.24,10.9) v1(32.25,8.48) v1(32.5,70.25) v1(32.5,61.25) v1(32.5,55.8) v1(32.5,54.25) v1(32.5,45.25) v1(32.5,39.8) v1(32.5,38.25) v1(32.5,29.25) v1(32.5,23.8) v1(32.5,22.25) v1(32.5,13.25) v1(32.5,7.8) v1(32.88,66.53) v1(32.88,50.53) v1(32.88,34.53) v1(32.88,18.53) v1(33,68.5) v1(33,52.5) v1(33,36.5) v1(33,20.5) v1(33.04,62.9) v1(33.04,46.9) v1(33.04,30.9) v1(33.04,14.9) v1(34.5,70.25) v1(34.5,54.25) v1(34.5,38.25) v1(34.5,22.25) v1(34.85,55.75) v1(34.85,39.75) v1(34.85,23.75) v1(34.85,7.75) v1(38.5,70.25) v1(38.5,68.9) v1(38.5,57.15) v1(38.5,55.8) v1(38.5,54.25) v1(38.5,52.9) v1(38.5,41.15) v1(38.5,39.8) v1(38.5,38.25) v1(38.5,36.9) v1(38.5,25.15) v1(38.5,23.8) v1(38.5,22.25) v1(38.5,20.9) v1(38.5,9.15) v1(38.5,7.8) v1(42.5,55.75) v1(42.5,39.75) v1(42.5,23.75) v1(42.5,7.75) v1(43.82,59.91) v1(43.82,43.91) v1(43.82,27.91) v1(43.82,11.91) v1(44.2,57.65) v1(44.2,41.65) v1(44.2,25.65) v1(44.2,9.65) v1(44.5,56.67) v1(44.5,55.75) v1(44.5,40.67) v1(44.5,39.75) v1(44.5,24.67) v1(44.5,23.75) v1(44.5,8.67) v1(44.5,7.75) v1(44.77,69.19) v1(44.74,64.69) v1(44.75,62.12) v1(44.75,59.41) v1(44.77,53.19) v1(44.74,48.69) v1(44.75,46.12) v1(44.75,43.41) v1(44.77,37.19) v1(44.74,32.69) v1(44.75,30.12) v1(44.75,27.41) v1(44.77,21.19) v1(44.74,16.69) v1(44.75,14.12) v1(44.75,11.41) v1(46.24,68.81) v1(46.24,61.99) v1(46.24,58.9) v1(46.25,56.48) v1(46.24,52.81) v1(46.24,45.99) v1(46.24,42.9) v1(46.25,40.48) v1(46.24,36.81) v1(46.24,29.99) v1(46.24,26.9) v1(46.25,24.48) v1(46.24,20.81) v1(46.24,13.99) v1(46.24,10.9) v1(46.25,8.48) v1(46.5,70.25) v1(46.5,61.25) v1(46.5,55.8) v1(46.5,54.25) v1(46.5,45.25) v1(46.5,39.8) v1(46.5,38.25) v1(46.5,29.25) v1(46.5,23.8) v1(46.5,22.25) v1(46.5,13.25) v1(46.5,7.8) v1(46.88,66.53) v1(46.88,50.53) v1(46.88,34.53) v1(46.88,18.53) v1(47,68.5) v1(47,52.5) v1(47,36.5) v1(47,20.5) v1(47.04,62.9) v1(47.04,46.9) v1(47.04,30.9) v1(47.04,14.9) v1(48.5,70.25) v1(48.5,54.25) v1(48.5,38.25) v1(48.5,22.25) v1(48.85,55.75) v1(48.85,39.75) v1(48.85,23.75) v1(48.85,7.75) v1(52.5,70.25) v1(52.5,68.9) v1(52.5,57.15) v1(52.5,55.8) v1(52.5,54.25) v1(52.5,52.9) v1(52.5,41.15) v1(52.5,39.8) v1(52.5,38.25) v1(52.5,36.9) v1(52.5,25.15) v1(52.5,23.8) v1(52.5,22.25) v1(52.5,20.9) v1(52.5,9.15) v1(52.5,7.8) v1(56.5,55.75) v1(56.5,39.75) v1(56.5,23.75) v1(56.5,7.75) v1(57.82,59.91) v1(57.82,43.91) v1(57.82,27.91) v1(57.82,11.91) v1(58.2,57.65) v1(58.2,41.65) v1(58.2,25.65) v1(58.2,9.65) v1(58.5,56.67) v1(58.5,55.75) v1(58.5,40.67) v1(58.5,39.75) v1(58.5,24.67) v1(58.5,23.75) v1(58.5,8.67) v1(58.5,7.75) v1(58.77,69.19) v1(58.74,64.69) v1(58.75,62.12) v1(58.75,59.41) v1(58.77,53.19) v1(58.74,48.69) v1(58.75,46.12) v1(58.75,43.41) v1(58.77,37.19) v1(58.74,32.69) v1(58.75,30.12) v1(58.75,27.41) v1(58.77,21.19) v1(58.74,16.69) v1(58.75,14.12) v1(58.75,11.41) v1(60.24,68.81) v1(60.24,61.99) v1(60.24,58.9) v1(60.25,56.48) v1(60.24,52.81) v1(60.24,45.99) v1(60.24,42.9) v1(60.25,40.48) v1(60.24,36.81) v1(60.24,29.99) v1(60.24,26.9) v1(60.25,24.48) v1(60.24,20.81) v1(60.24,13.99) v1(60.24,10.9) v1(60.25,8.48) v1(60.5,70.25) v1(60.5,61.25) v1(60.5,55.8) v1(60.5,54.25) v1(60.5,45.25) v1(60.5,39.8) v1(60.5,38.25) v1(60.5,29.25) v1(60.5,23.8) v1(60.5,22.25) v1(60.5,13.25) v1(60.5,7.8) v1(60.88,66.53) v1(60.88,50.53) v1(60.88,34.53) v1(60.88,18.53) v1(61,68.5) v1(61,52.5) v1(61,36.5) v1(61,20.5) v1(61.04,62.9) v1(61.04,46.9) v1(61.04,30.9) v1(61.04,14.9) v1(62.5,70.25) v1(62.5,54.25) v1(62.5,38.25) v1(62.5,22.25) v1(62.85,55.75) v1(62.85,39.75) v1(62.85,23.75) v1(62.85,7.75) v1(66.5,70.25) v1(66.5,68.9) v1(66.5,57.15) v1(66.5,55.8) v1(66.5,54.25) v1(66.5,52.9) v1(66.5,41.15) v1(66.5,39.8) v1(66.5,38.25) v1(66.5,36.9) v1(66.5,25.15) v1(66.5,23.8) v1(66.5,22.25) v1(66.5,20.9) v1(66.5,9.15) v1(66.5,7.8) v1(70.5,55.75) v1(70.5,39.75) v1(70.5,23.75) v1(70.5,7.75) v1(71.82,59.91) v1(71.82,43.91) v1(71.82,27.91) v1(71.82,11.91) v1(72.2,57.65) v1(72.2,41.65) v1(72.2,25.65) v1(72.2,9.65) v1(72.5,56.67) v1(72.5,55.75) v1(72.5,40.67) v1(72.5,39.75) v1(72.5,24.67) v1(72.5,23.75) v1(72.5,8.67) v1(72.5,7.75) v1(72.77,69.19) v1(72.74,64.69) v1(72.75,62.12) v1(72.75,59.41) v1(72.77,53.19) v1(72.74,48.69) v1(72.75,46.12) v1(72.75,43.41) v1(72.77,37.19) v1(72.74,32.69) v1(72.75,30.12) v1(72.75,27.41) v1(72.77,21.19) v1(72.74,16.69) v1(72.75,14.12) v1(72.75,11.41)
